# Altium PCB Motherboard.PcbDoc (part 1 of 3) (continued)
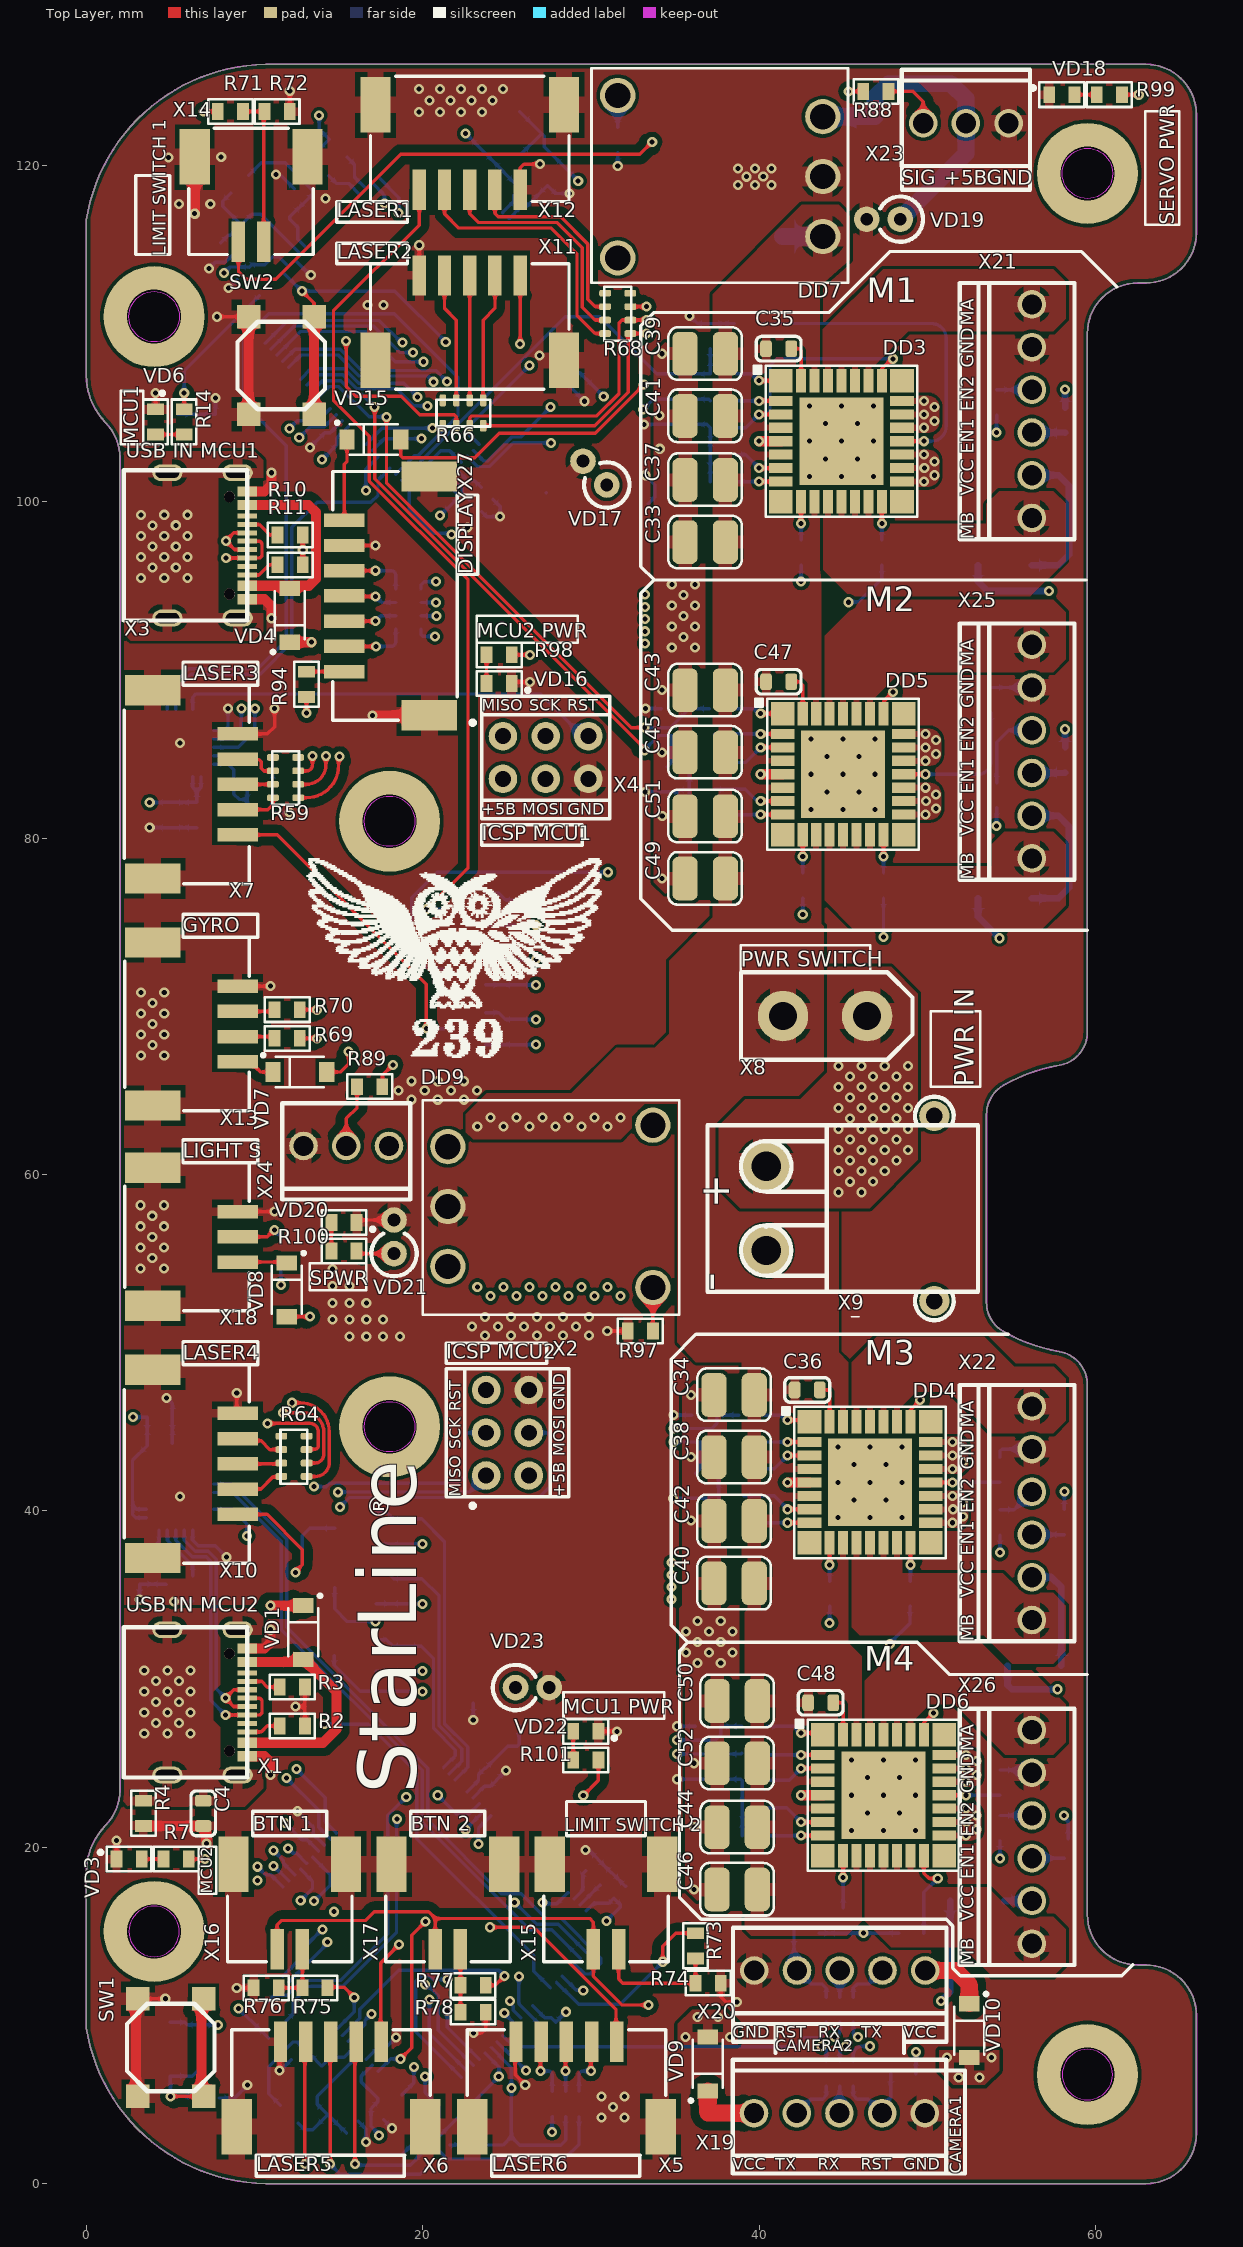
[diagram p0: Top Layer view]
## Design rules (kind name [scope] priority, off if disabled: settings)
Clearance Clearance_MidPoly [(InPoly) AND (OnLayer('GND1') OR OnLayer('GND2') OR OnLayer('PWR') OR OnLayer('Signal')) vs (InPoly) AND (OnLayer('GND1') OR OnLayer('GND2') OR OnLayer('PWR') OR OnLayer('Signal'))] p1: gap=0.4 ignorepadtopadclearanceinfootprint=FALSE
Clearance Clearance_Poly [InPolygon vs InPolygon] p2: gap=0.2 ignorepadtopadclearanceinfootprint=FALSE
Clearance Clearance_Pad [InPolygon vs isPad] p3: gap=0.2 ignorepadtopadclearanceinfootprint=FALSE
Clearance Clearance_Via [InPolygon vs IsVia] p4: gap=0.2 ignorepadtopadclearanceinfootprint=FALSE
Clearance Clearance_Dec [OnLayer('Bottom Layer') AND InPolygonClass('Dec') or OnLayer('Top Layer') AND InPolygonClass('Dec') vs InAnyNet] p5: gap=0.5 ignorepadtopadclearanceinfootprint=FALSE
Clearance Clearance_PGND_Poly [InNet('PGND') AND InPolygon vs InNet('+5В')] p6: gap=0.3 ignorepadtopadclearanceinfootprint=FALSE except(0.5: SMDPad-Fill SMDPad-Poly SMDPad-Region)
Clearance Clearance_PVCC_Poly [InNet('+3S') AND InPolygon vs InNet('PGND')] p7: gap=0.3 ignorepadtopadclearanceinfootprint=FALSE except(0.5: SMDPad-Fill SMDPad-Poly SMDPad-Region)
Clearance Clearance_GND_Poly [InNet('PGND') AND InPolygon vs InNet('SGND')] p8: gap=0.15 ignorepadtopadclearanceinfootprint=FALSE except(0.2: Arc-Fill Arc-Poly Arc-Region Track-Fill Track-Poly Track-Region THPad-Fill THPad-Poly THPad-Region Via-Fill Via-Poly Via-Region Fill-Fill Fill-Poly Fill-Region Poly-Poly Poly-Region Region-Region; 0.5: SMDPad-Fill SMDPad-Poly SMDPad-Region)
Clearance Clearance_VCC_Poly [(InNet('+5В_MCU')OR InNet('+5В_MCU2')OR InNet('+5В')) AND InPolygon] p9: gap=0.25 ignorepadtopadclearanceinfootprint=FALSE except(0.3: Fill-Fill Fill-Poly Fill-Region Poly-Poly Poly-Region Region-Region; 0.5: SMDPad-Fill SMDPad-Poly SMDPad-Region)
Clearance Clearance_1 [IsPadHoleValid] p10: gap=0.15 ignorepadtopadclearanceinfootprint=FALSE
Clearance Clearance_Edge_Mid [((OnLayer('Signal Layer 1') OR OnLayer('Signal Layer 2')OR OnLayer('Signal Layer 3')OR OnLayer('Signal Layer 4'))) vs (OnLayer('Keep-Out Layer'))] p11: gap=0.25 ignorepadtopadclearanceinfootprint=FALSE
Clearance Clearance_Edge [All vs (OnLayer('Keep-Out Layer'))] p12: gap=0.2 ignorepadtopadclearanceinfootprint=FALSE
Clearance Via [IsVia vs IsVia] p13: gap=0.2 ignorepadtopadclearanceinfootprint=FALSE
Clearance Clearance_Poly_top [InPolygon AND (OnLayer('Top Layer') OR OnLayer('Bottom Layer'))] p14: gap=0.2 ignorepadtopadclearanceinfootprint=FALSE
Clearance [All] p15: gap=0.125 ignorepadtopadclearanceinfootprint=FALSE except(0.2: Fill-Fill Fill-Poly Fill-Region Poly-Poly Poly-Region Region-Region)
ComponentClearance [All] p1: gap=0 collisioncheckmode=3 verticalgap=0 showdistances=FALSE
DiffPairsRouting [All] p1: maxlimit=0.254 minlimit=0.1 mostfreqgap=0.2 toplayer_minwidth=0.1 toplayer_maxwidth=0.381 toplayer_prefwidth=0.1 midlayer1_minwidth=0.1 midlayer1_maxwidth=0.381 midlayer1_prefwidth=0.1 midlayer2_minwidth=0.1 midlayer2_maxwidth=0.381 midlayer2_prefwidth=0.1 midlayer3_minwidth=0.1 midlayer3_maxwidth=0.381 midlayer3_prefwidth=0.1 midlayer4_minwidth=0.1 midlayer4_maxwidth=0.381 midlayer4_prefwidth=0.1 bottomlayer_minwidth=0.1 bottomlayer_maxwidth=0.381 bottomlayer_prefwidth=0.1 maxuncoupledlength=12.7
Height [All] p1: minheight=0 maxheight=30 prefheight=0
HoleSize [All] p1: absolutevalues=TRUE maxlimit=10 minlimit=0.2 maxpercent=80.000 minpercent=20.000
HoleToHoleClearance [All] p1: gap=0.2 allowstackedmicrovias=TRUE
MatchedLengths MatchedLengths_CSI2 [InDifferentialPairClass('MIPI_TX')] p1: tolerance=1 checknetsindiffpair=FALSE checkdiffpairvsdiffpair=TRUE checkxsignals=TRUE checkothers=TRUE
MatchedLengths MatchedLengths_CSI1 [InDifferentialPairClass('MIPI_CSI23')] p2: tolerance=1 checknetsindiffpair=FALSE checkdiffpairvsdiffpair=TRUE checkxsignals=TRUE checkothers=TRUE
MatchedLengths MatchedLengths_CSI0 [InDifferentialPairClass('MIPI_CSI0')] p3: tolerance=1 checknetsindiffpair=FALSE checkdiffpairvsdiffpair=TRUE checkxsignals=TRUE checkothers=TRUE
MatchedLengths [InDifferentialPairClass('All Differential Pairs')] p4: tolerance=0.5 checknetsindiffpair=TRUE checkdiffpairvsdiffpair=FALSE checkxsignals=FALSE checkothers=FALSE
MinimumSolderMaskSliver [All] p1: minsoldermaskwidth=0.05
PlaneClearance [All] p1: clearance=0.5
PlaneConnect [All] p1: planeconnectstyle=Relief reliefexpansion=0.5 reliefentries=4 reliefconductorwidth=0.2 reliefairgap=0.2
PolygonConnect PolygonConnect_<=0.3 [(AsMM(PadXSize_AllLayers)<=0.301) or (AsMM(PadYSize_AllLayers)<=0.301)] p1: thpad.connectstyle=Relief thpad.reliefconductorwidth=0.2 thpad.reliefentries=4 thpad.polygonreliefangle="90 Angle" thpad.airgapwidth=0.2 smdpad.connectstyle=Relief smdpad.reliefconductorwidth=0.2 smdpad.reliefentries=4 smdpad.polygonreliefangle="90 Angle" smdpad.airgapwidth=0.2 via.connectstyle=Direct via.reliefconductorwidth=0.2 via.reliefentries=4 via.polygonreliefangle="90 Angle" via.airgapwidth=0.2
PolygonConnect PolygonConnect_<=0.4 [(AsMM(PadXSize_AllLayers)<=0.401) or (AsMM(PadYSize_AllLayers)<=0.401)] p2: thpad.connectstyle=Relief thpad.reliefconductorwidth=0.26 thpad.reliefentries=4 thpad.polygonreliefangle="90 Angle" thpad.airgapwidth=0.2 smdpad.connectstyle=Relief smdpad.reliefconductorwidth=0.26 smdpad.reliefentries=4 smdpad.polygonreliefangle="90 Angle" smdpad.airgapwidth=0.2 via.connectstyle=Direct via.reliefconductorwidth=0.26 via.reliefentries=4 via.polygonreliefangle="90 Angle" via.airgapwidth=0.2
PolygonConnect PolygonConnect_<=0.6 [(AsMM(PadXSize_AllLayers)<=0.601) or (AsMM(PadYSize_AllLayers)<=0.601)] p3: thpad.connectstyle=Relief thpad.reliefconductorwidth=0.33 thpad.reliefentries=4 thpad.polygonreliefangle="90 Angle" thpad.airgapwidth=0.2 smdpad.connectstyle=Relief smdpad.reliefconductorwidth=0.33 smdpad.reliefentries=4 smdpad.polygonreliefangle="90 Angle" smdpad.airgapwidth=0.2 via.connectstyle=Direct via.reliefconductorwidth=0.33 via.reliefentries=4 via.polygonreliefangle="90 Angle" via.airgapwidth=0.2
PolygonConnect PolygonConnect_<=0.8 [(AsMM(PadXSize_AllLayers)<=0.8)or(AsMM(PadYSize_AllLayers)<=0.8)] p4: thpad.connectstyle=Relief thpad.reliefconductorwidth=0.53 thpad.reliefentries=4 thpad.polygonreliefangle="90 Angle" thpad.airgapwidth=0.3 smdpad.connectstyle=Relief smdpad.reliefconductorwidth=0.53 smdpad.reliefentries=4 smdpad.polygonreliefangle="90 Angle" smdpad.airgapwidth=0.3 via.connectstyle=Direct via.reliefconductorwidth=0.53 via.reliefentries=4 via.polygonreliefangle="90 Angle" via.airgapwidth=0.3
PolygonConnect PolygonConnect_<=1 [(AsMM(PadXSize_AllLayers)<=1.01)or(AsMM(PadYSize_AllLayers)<=1.01)] p5: thpad.connectstyle=Relief thpad.reliefconductorwidth=0.6 thpad.reliefentries=4 thpad.polygonreliefangle="90 Angle" thpad.airgapwidth=0.3 smdpad.connectstyle=Relief smdpad.reliefconductorwidth=0.6 smdpad.reliefentries=4 smdpad.polygonreliefangle="90 Angle" smdpad.airgapwidth=0.3 via.connectstyle=Direct via.reliefconductorwidth=0.6 via.reliefentries=4 via.polygonreliefangle="90 Angle" via.airgapwidth=0.3
PolygonConnect PolygonConnect_<=1.3 [(AsMM(PadXSize_AllLayers)<=1.31)or(AsMM(PadYSize_AllLayers)<=1.31)] p6: thpad.connectstyle=Relief thpad.reliefconductorwidth=0.66 thpad.reliefentries=4 thpad.polygonreliefangle="90 Angle" thpad.airgapwidth=0.3 smdpad.connectstyle=Relief smdpad.reliefconductorwidth=0.66 smdpad.reliefentries=4 smdpad.polygonreliefangle="90 Angle" smdpad.airgapwidth=0.3 via.connectstyle=Direct via.reliefconductorwidth=0.66 via.reliefentries=4 via.polygonreliefangle="90 Angle" via.airgapwidth=0.3
PolygonConnect PolygonConnect_<=1.6 [(AsMM(PadXSize_AllLayers)<=1.61)or(AsMM(PadYSize_AllLayers)<=1.61)] p7: thpad.connectstyle=Relief thpad.reliefconductorwidth=0.8 thpad.reliefentries=4 thpad.polygonreliefangle="90 Angle" thpad.airgapwidth=0.3 smdpad.connectstyle=Relief smdpad.reliefconductorwidth=0.8 smdpad.reliefentries=4 smdpad.polygonreliefangle="90 Angle" smdpad.airgapwidth=0.3 via.connectstyle=Direct via.reliefconductorwidth=0.8 via.reliefentries=4 via.polygonreliefangle="90 Angle" via.airgapwidth=0.3
PolygonConnect PolygonConnect_<=1.8 [(AsMM(PadXSize_AllLayers)<=1.8)or(AsMM(PadYSize_AllLayers)<=1.8)] p8: thpad.connectstyle=Relief thpad.reliefconductorwidth=1 thpad.reliefentries=4 thpad.polygonreliefangle="90 Angle" thpad.airgapwidth=0.3 smdpad.connectstyle=Relief smdpad.reliefconductorwidth=1 smdpad.reliefentries=4 smdpad.polygonreliefangle="90 Angle" smdpad.airgapwidth=0.3 via.connectstyle=Direct via.reliefconductorwidth=1 via.reliefentries=4 via.polygonreliefangle="90 Angle" via.airgapwidth=0.3
PolygonConnect PolygonConnect_<=2 [(AsMM(PadXSize_AllLayers)<=2.01)or(AsMM(PadYSize_AllLayers)<=2.01)] p9: thpad.connectstyle=Relief thpad.reliefconductorwidth=1.1 thpad.reliefentries=4 thpad.polygonreliefangle="90 Angle" thpad.airgapwidth=0.3 smdpad.connectstyle=Relief smdpad.reliefconductorwidth=1.1 smdpad.reliefentries=4 smdpad.polygonreliefangle="90 Angle" smdpad.airgapwidth=0.3 via.connectstyle=Direct via.reliefconductorwidth=1.1 via.reliefentries=4 via.polygonreliefangle="90 Angle" via.airgapwidth=0.3
PolygonConnect PolygonConnect_<=2.3 [(AsMM(PadXSize_AllLayers)<=2.31)or(AsMM(PadYSize_AllLayers)<=2.31)] p10: thpad.connectstyle=Relief thpad.reliefconductorwidth=1.2 thpad.reliefentries=4 thpad.polygonreliefangle="90 Angle" thpad.airgapwidth=0.3 smdpad.connectstyle=Relief smdpad.reliefconductorwidth=1.2 smdpad.reliefentries=4 smdpad.polygonreliefangle="90 Angle" smdpad.airgapwidth=0.3 via.connectstyle=Direct via.reliefconductorwidth=1.2 via.reliefentries=4 via.polygonreliefangle="90 Angle" via.airgapwidth=0.3
PolygonConnect PolygonConnect_<=2.5 [(AsMM(PadXSize_AllLayers)<=2.51)or(AsMM(PadYSize_AllLayers)<=2.51)] p11: thpad.connectstyle=Relief thpad.reliefconductorwidth=1.2 thpad.reliefentries=4 thpad.polygonreliefangle="90 Angle" thpad.airgapwidth=0.3 smdpad.connectstyle=Relief smdpad.reliefconductorwidth=1.2 smdpad.reliefentries=4 smdpad.polygonreliefangle="90 Angle" smdpad.airgapwidth=0.3 via.connectstyle=Direct via.reliefconductorwidth=1.2 via.reliefentries=4 via.polygonreliefangle="90 Angle" via.airgapwidth=0.3
PolygonConnect PolygonConnect_<=2.7 [(AsMM(PadXSize_AllLayers)<=2.71)or(AsMM(PadYSize_AllLayers)<=2.71)] p12: thpad.connectstyle=Relief thpad.reliefconductorwidth=1.4 thpad.reliefentries=4 thpad.polygonreliefangle="90 Angle" thpad.airgapwidth=0.3 smdpad.connectstyle=Relief smdpad.reliefconductorwidth=1.4 smdpad.reliefentries=4 smdpad.polygonreliefangle="90 Angle" smdpad.airgapwidth=0.3 via.connectstyle=Direct via.reliefconductorwidth=1.4 via.reliefentries=4 via.polygonreliefangle="90 Angle" via.airgapwidth=0.3
PolygonConnect PolygonConnect_<=3 [(AsMM(PadXSize_AllLayers)<=3.01)or(AsMM(PadYSize_AllLayers)<=3.01)] p13: thpad.connectstyle=Relief thpad.reliefconductorwidth=1.6 thpad.reliefentries=4 thpad.polygonreliefangle="90 Angle" thpad.airgapwidth=0.3 smdpad.connectstyle=Relief smdpad.reliefconductorwidth=1.6 smdpad.reliefentries=4 smdpad.polygonreliefangle="90 Angle" smdpad.airgapwidth=0.3 via.connectstyle=Direct via.reliefconductorwidth=1.6 via.reliefentries=4 via.polygonreliefangle="90 Angle" via.airgapwidth=0.3
PolygonConnect PolygonConnect_<7 [(AsMM(PadXSize_AllLayers)<7.01)or(AsMM(PadYSize_AllLayers)<=7.01)] p14: thpad.connectstyle=Relief thpad.reliefconductorwidth=2 thpad.reliefentries=4 thpad.polygonreliefangle="90 Angle" thpad.airgapwidth=0.35 smdpad.connectstyle=Relief smdpad.reliefconductorwidth=2 smdpad.reliefentries=4 smdpad.polygonreliefangle="90 Angle" smdpad.airgapwidth=0.35 via.connectstyle=Direct via.reliefconductorwidth=2 via.reliefentries=4 via.polygonreliefangle="90 Angle" via.airgapwidth=0.4
PolygonConnect [All] p15: thpad.connectstyle=Relief thpad.reliefconductorwidth=0.25 thpad.reliefentries=4 thpad.polygonreliefangle="90 Angle" thpad.airgapwidth=0.2 smdpad.connectstyle=Relief smdpad.reliefconductorwidth=0.25 smdpad.reliefentries=4 smdpad.polygonreliefangle="90 Angle" smdpad.airgapwidth=0.2 via.connectstyle=Direct via.reliefconductorwidth=0.25 via.reliefentries=4 via.polygonreliefangle="90 Angle" via.airgapwidth=0.2
RoutingCorners [All] p1: cornerstyle=45-Degree minsetback=2.5 maxsetback=2.5
RoutingVias [All] p1: holewidth=0.2 width=0.4 viastyle="Through Hole" minholewidth=0.2 minwidth=0.4 maxholewidth=3 maxwidth=4
ShortCircuit ShortCircuit_NoNet [InNet('No Net') vs InNet('No Net')] p1: allowed=TRUE
ShortCircuit ShortCircuit_GND [InNetClass('GND') vs InNetClass('GND')] p2: allowed=TRUE
ShortCircuit [All] p3: allowed=FALSE
SilkToSilkClearance [All] p1: silktosilkclearance=0
SilkToSolderMaskClearance SilkscreenOverComponentPads [IsPad] p1: minsilkscreentomaskgap=0 clearancetoexposedcopper=TRUE
SolderMaskExpansion SolderMaskExpansion_Via [IsVia] p1: expansion=0 istentingtop=FALSE
SolderMaskExpansion [All] p2: expansion=0.025 istentingtop=FALSE
UnConnectedPin [IsVia] p1:
Width [All] p1: maxlimit=3 minlimit=0.1 preferedwidth=0.1 minimp=50.000000 maximp=50.000000 favimp=50.000000
18 further rules are at their usual default settings.

## Classes and differential pairs
polygon class Dec: Dec_BOT Dec_TOP
component class motherboard_power: DD7 DD8 DD9 DD10 R96 R97 R98 R99 R100 R101 R102 R103 VD18 VD21 VD22 С53 С54 С55 С56 С57 С58 С59 С60 С61 С62 С63 С64
component class motherboard_motor_mcu: DA2 DD2 R9 R10 R11 R12 R13 R14 R15 R16 SW2 VD4 VD5 VD6 X3 X4 XT2 С17 С18 С19 С20 С21 С22 С23 С24 С25 С26 С27 С28 С29 С30 С31 С32
component class motherboard_motor_drivers: DD3 DD4 DD5 DD6 R17 R18 R19 R20 R21 R22 R23 R24 R25 R26 R27 R28 R29 R30 R31 R32 R33 R34 R35 R36 R37 R38 R39 R40 R41 R42 R43 R44 R45 R46 R47 R48 R49 R50 R51 R52 R53 R54 R55 R56 С33 С34 С35 С36 С37 С38 С39 С40 С41 С42 С43 С44 С45 С46 С47 С48 С49 С50 С51 С52
component class motherboard_mcu: DA1 DD1 R1 R2 R3 R4 R5 R6 R7 R8 SW1 VD1 VD2 VD3 X1 X2 XT1 С1 С2 С3 С4 С5 С6 С7 С8 С9 С10 С11 С12 С13 С14 С15 С16
component class motherboard_conectors: R57 R58 R59 R60 R61 R62 R63 R64 R65 R66 R67 R68 R69 R70 R71 R72 R73 R74 R75 R76 R77 R78 R79 R80 R81 R82 R83 R84 R85 R86 R87 R88 R89 R90 R91 R92 R93 R94 R95 VD7 VD8 VD9 VD10 VD11 VD12 VD13 VD14 VT1 VT2 VT3 VT4 VT5 VT6 X5 X6 X7 X8 X9 X10 X11 X13 X14 X15 X16 X17 X18 X19 X20 X21 X22 X23 X24 X25 X26 X27

## Components (designator, comment, footprint, x,y, rotation, side; value= is the part's Value field where it differs from the comment)
DA1 "CP2105" QFN24-PAD 5.575,40.85 r90 bottom
DA2 "CP2105" QFN24-PAD 5.575,85.65 r180 bottom
DD1 "Atmega2560" 100A 20,15 r135 bottom
DD2 "Atmega2560" 100A 20,111.006 r45 bottom
DD3 "MС339296" PQFN32 44.9,103.6 r0 top
DD4 "MС339296" PQFN32 46.6,41.7 r0 top
DD5 "MС339296" PQFN32 45,83.8 r0 top
DD6 "MС339296" PQFN32 47.4,23.1 r0 top
DD7 "PTH08080W" PTH08080W 43.79,115.775 r180 top
DD8 "LM1117GS-5.0" SOT-223 26.907,96.832 r225 bottom
DD9 "PTH08080W" PTH08080W 21.5,61.66 r0 top
DD10 "LM1117GS-5.0" SOT-223 25.309,35.265 r90 bottom
R1 "10к" R0603 12.07,4.135 r315 bottom
R2 "1М" R0603 12.25,27.225 r0 top
R3 "1М" R0603 12.25,29.525 r0 top
R4 "100к" R0603 3.4,22.025 r270 top
R5 "10к" R0603 6.8,8.7 r90 bottom
R6 "10к" R0603 11.37,9.17 r45 bottom
R7 "510" R0603 5.35,19.3 r0 top
R8 "10к" R0603 10.27,10.27 r45 bottom
R9 "10к" R0603 9.125,118.875 r225 bottom
R10 "1М" R0603 12.125,98.025 r0 top
R11 "1М" R0603 12.125,96.25 r0 top
R12 "100к" R0603 5.425,104.45 r90 bottom
R13 "10к" R0603 25.346,120.154 r225 bottom
R14 "510" R0603 5.825,104.75 r90 top
R15 "10к" R0603 14.97,121.03 r315 bottom
R16 "10к" R0603 13.87,119.93 r315 bottom
R17 "47к" R0603 39.275,110.6 r0 bottom
R18 "47к" R0603 54.325,42.45 r90 bottom
R19 "10к" R0603 38.35,42.5 r0 bottom
R20 "10к" R0603 49,35.075 r90 bottom
R21 "10к" R0603 37.85,104.4 r0 bottom
R22 "10к" R0603 47.3,96.975 r90 bottom
R23 "47к" R0603 37.85,101.2 r0 bottom
R24 "47к" R0603 38.35,39.3 r180 bottom
R25 "100" R0603 37.85,107.6 r180 bottom
R26 "100" R0603 37.85,106 r180 bottom
R27 "10к" R0603 42.5,96.975 r270 bottom
R28 "100" R0603 39.55,45.7 r180 bottom
R29 "100" R0603 38.35,44.1 r180 bottom
R30 "10к" R0603 44.2,35.075 r270 bottom
R31 "47к" R0603 37.85,102.8 r180 bottom
R32 "47к" R0603 38.35,40.9 r180 bottom
R33 "47к" R0603 35.6,105.35 r270 bottom
R34 "47к" R0603 36.225,41.5 r270 bottom
R35 "47к" R0603 37.1,109.85 r90 bottom
R36 "47к" R0603 36.75,45.7 r180 bottom
R37 "47к" R0603 34.95,87.7 r180 bottom
R38 "47к" R0603 36.975,27.2 r180 bottom
R39 "47к" R0603 34.5,83.5 r270 bottom
R40 "47к" R0603 37.525,24.8 r270 bottom
R41 "47к" R0603 36.6,82.9 r180 bottom
R42 "47к" R0603 39.75,22.35 r180 bottom
R43 "100" R0603 37.8,87.7 r0 bottom
R44 "100" R0603 36.6,86.1 r0 bottom
R45 "10к" R0603 42.6,77.175 r90 bottom
R46 "100" R0603 39.725,27.2 r0 bottom
R47 "100" R0603 39.725,25.6 r0 bottom
R48 "10к" R0603 45,15.65 r90 bottom
R49 "10к" R0603 36.6,84.5 r180 bottom
R50 "10к" R0603 47.4,77.175 r270 bottom
R51 "10к" R0603 39.725,24 r180 bottom
R52 "10к" R0603 49.05,14.9 r180 bottom
R53 "47к" R0603 36.6,81.3 r0 bottom
R54 "47к" R0603 39.75,20.7 r0 bottom
R55 "47к" R0603 53.775,88.206 r270 bottom
R56 "47к" R0603 54.325,23.85 r270 bottom
R57 "100" R0603X4 29.3,5.5 r180 bottom
R58 "100" R0603X4 21.597,2.303 r135 bottom
R59 "100" R0603X4 11.1,82.4 r90 top
R60 "10к" R0603 19,31.205 r90 bottom
R61 "10к" R0603 19.025,35.225 r90 bottom
R62 "10к" R0603 25.675,68.475 r90 bottom
R63 "10к" R0603 19.025,38.78 r90 bottom
R64 "100" R0603X4 11.6,42.05 r90 top
R65 "10к" R0603 25.675,72.025 r90 bottom
R66 "100" R0603X4 23.6,104.525 r180 top
R67 "10к" R0603 25.675,75.575 r90 bottom
R68 "100" R0603X4 30.85,110 r90 top
R69 "100" R0603 11.95,68.1 r180 top
R70 "100" R0603 11.95,69.8 r180 top
R71 "100" R0603 8.575,123.2 r0 top
R72 "10к" R0603 11.35,123.2 r180 top
R73 "100" R0603 36.225,14.15 r270 top
R74 "10к" R0603 36.975,11.925 r180 top
R75 "100" R0603 13.6,11.65 r180 top
R76 "10к" R0603 10.7,11.65 r0 top
R77 "100" R0603 23,11.8 r180 top
R78 "10к" R0603 23,10.2 r180 top
R79 "100" R0603 11.575,55.125 r90 bottom
R80 "10к" R0603 48.575,6.55 r180 bottom
R81 "100" R0603X4 44,5.8 r0 bottom
R82 "10к" R0603 42.825,14.9 r180 bottom
R83 "100" R0603X4 45.6,11.1 r180 bottom
R84 "100" R0603 58.2,104.85 r90 bottom
R85 "100" R0603 54.125,105.906 r270 bottom
R86 "100" R0603 58.15,39.35 r90 bottom
R87 "100" R0603 54.325,39.325 r270 bottom
R88 "100" R0603 46.95,124.4 r180 top
R89 "100" R0603 16.85,65.225 r0 top
R90 "100" R0603 58.2,84.65 r270 bottom
R91 "100" R0603 54.125,82.55 r90 bottom
R92 "100" R0603 58.375,19.75 r270 bottom
R93 "100" R0603 54.325,21.146 r90 bottom
R94 "10к" R0603 13.1,89.15 r90 top
R95 "100" R0603X4 18.4,94.812 r270 bottom
R96 "10к" R0603 31.6,121.5 r90 bottom
R97 "10к" R0603 32.94,50.7 r0 top
R98 "10к" R0603 24.55,90.9 r0 top
R99 "510" R0603 60.825,124.2 r0 top
R100 "510" R0603 15.325,55.45 r0 top
R101 "10к" R0603 29.7,25.2 r0 top
R102 "0" R1210 38.425,51.8 r180 bottom
R103 "0" R1210 38.425,64.2 r180 bottom
SW1 "" it-1187 5.025,8.1 r90 top
SW2 "" it-1187 11.6,108.1 r90 top
VD1 "" SOD123_A 12.9,32.778 r270 top
VD2 "" SOD123_A 5,8 r270 bottom
VD3 "" "0603 - led" 2.55,19.3 r180 top
VD4 "" SOD123_A 12.1,93.25 r90 top
VD5 "" SOD123_A 24.647,122.055 r45 bottom
VD6 "" "0603 - led" 4.125,104.75 r90 top
VD7 "" SOD123_A 12.7,66.1 r0 top
VD8 "" SOD123_A 11.925,53.15 r270 top
VD9 "" SOD123_A 36.95,7.125 r90 top
VD10 "" SOD123_A 52.5,9.1 r270 top
VD11 "" SOD123_A 54.621,96.225 r180 bottom
VD12 "" SOD123_A 56.375,30.8 r180 bottom
VD13 "" SOD123_A 54.621,76.425 r180 bottom
VD14 "" SOD123_A 52.975,16.816 r180 bottom
VD15 "" SOD123_A 17.1,103.7 r0 top
VD16 "" "0603 - led" 24.55,89.2 r0 top
VD17 "1N4734A" "DO-41 Vertical" 30.95,101 r45 top
VD18 "" "0603 - led" 58,124.2 r180 top
VD19 "1N4734A" "DO-41 Vertical" 48.4,116.8 r90 top
VD20 "" "0603 - led" 15.325,57.15 r0 top
VD21 "1N4734A" "DO-41 Vertical" 18.3,55.3 r0 top
VD22 "" "0603 - led" 29.7,26.9 r0 top
VD23 "1N4734A" "DO-41 Vertical" 25.525,29.5 r270 top
VT1 "IRLML2244TRPBF" SOT23 15.975,31.405 r180 bottom
VT2 "IRLML2244TRPBF" SOT23 16,35.43 r180 bottom
VT3 "IRLML2244TRPBF" SOT23 22.525,68.675 r180 bottom
VT4 "IRLML2244TRPBF" SOT23 16,38.98 r180 bottom
VT5 "IRLML2244TRPBF" SOT23 22.525,72.225 r180 bottom
VT6 "IRLML2244TRPBF" SOT23 22.525,75.775 r180 bottom
X1 "USB Type-C" USB4105-15-A-120 2.225,28.62 r270 top
X2 "PLS 3 x 2" "PLS 3 x 2" 23.775,42.11 r0 top
X3 "USB Type-C" USB4105-15-A-120 2.225,97.405 r270 top
X4 "PLS 3 x 2" "PLS 3 x 2" 24.775,86.065 r270 top
X5 "Clik-Mate 5" "Clik-Mate 5" 28.55,4 r0 top
X6 "Clik-Mate 5" "Clik-Mate 5" 14.55,4 r0 top
X7 "Clik-Mate 5" "Clik-Mate 5" 4.55,83.2 r270 top
X8 "XT30UPB-M" XT30UPB-M 41.425,69.425 r0 top
X9 "XT30PW-M" XT30PW-M 50.421,52.486 r90 top
X10 "Clik-Mate 5" "Clik-Mate 5" 4.55,42.8 r270 top
X11 "Clik-Mate 5" "Clik-Mate 5" 22.8,109 r0 top
X12 "Clik-Mate 5" "Clik-Mate 5" 22.8,123 r180 top
X13 "Clik-Mate 4" "Clik-Mate 4" 4.55,68.95 r270 top
X14 "Clik-Mate 2" "Clik-Mate 2" 9.8,120 r180 top
X15 "Clik-Mate 2" "Clik-Mate 2" 30.9,18.5 r180 top
X16 "Clik-Mate 2" "Clik-Mate 2" 12.1,18.5 r180 top
X17 "Clik-Mate 2" "Clik-Mate 2" 21.5,18.5 r180 top
X18 "640456-3" "Clik-Mate 3" 4.55,56.3 r270 top
X19 "640456-5" JST-640456-5 38.43,7.38 r270 top
X20 "640456-5" JST-640456-5 51.15,9.5 r90 top
X21 "640456-6" JST-640456-6 53.041,97.766 r0 top
X22 "640456-6" JST-640456-6 53.041,32.246 r0 top
X23 "640456-3" JST-640456-3 48.49,125.68 r270 top
X24 "640456-3" JST-640456-3 19.27,58.52 r90 top
X25 "640456-6" JST-640456-6 53.041,77.526 r0 top
X26 "640456-6" JST-640456-6 53.041,13.006 r0 top
X27 "Clik-Mate 7" "Clik-Mate 7" 19.8,94.4 r90 top
XT1 "16Мгц" KX-7 14.354,4.101 r135 bottom
XT2 "16Мгц" KX-7 12.1,116.8 r225 bottom
С1 "0,1мк" C0402 32.068,17.696 r225 bottom
С2 "0,1мк" C0402 17.689,3.814 r135 bottom
С3 "0,1мк" C0402 27.214,8.886 r45 bottom
С4 "0,01мк" C0603 6.955,22.022 r270 top
С5 "0,1мк" C0402 13.186,21.514 r225 bottom
С6 "0,1мк" C0402 15.489,2.986 r45 bottom
С7 "0,1мк" C0402 12.9,8.1 r225 bottom
С8 "0,1мк" C0402 24.425,24.018 r135 bottom
С9 "0,1мк" C0402 30.393,19.321 r225 bottom
С10 "0,1мк" C0402 31.243,18.471 r225 bottom
С11 "22" C0603 7.15,5.1 r180 bottom
С12 "4.7мк" C0603 6.325,35.4 r90 bottom
С13 "0,1мк" C0603 4.375,44.025 r180 bottom
С14 "0,1мк" C0603 3.175,36.4 r90 bottom
С15 "0,1мк" C0603 4.375,45.575 r180 bottom
С16 "0,1мк" C0603 4.725,36.4 r90 bottom
С17 "0,1мк" C0402 8.982,113.204 r45 bottom
С18 "0,1мк" C0402 22.396,99.107 r135 bottom
С19 "0,01мк" C0603 7.675,104.45 r90 bottom
С20 "0,1мк" C0402 29.014,106.586 r45 bottom
С21 "0,1мк" C0402 26.521,117.907 r135 bottom
С22 "0,1мк" C0402 8.721,114.707 r135 bottom
С23 "0,1мк" C0402 12.354,118.593 r315 bottom
С24 "0,1мк" C0402 24.196,100.157 r135 bottom
С25 "0,1мк" C0402 13.779,103.693 r315 bottom
С26 "0,1мк" C0402 23.496,99.432 r135 bottom
С27 "4.7мк" C0603 10.325,84.625 r180 bottom
С28 "22" C0603 27.945,119.33 r45 bottom
С29 "0,1мк" C0603 5.025,81.375 r90 bottom
С30 "0,1мк" C0603 10.325,83.075 r180 bottom
С31 "0,1мк" C0603 6.575,81.375 r90 bottom
С32 "0,1мк" C0603 10.325,81.525 r180 bottom
С33 "100мк" "C1210_AA - 2.5" 36.8,97.6 r0 top
С34 "100мк" "C1210_AA - 2.5" 38.52,46.9 r0 top
С35 "0,033мк" C0603 41.165,109.1 r180 top
С36 "0,033мк" C0603 42.865,47.2 r180 top
С37 "100мк" "C1210_AA - 2.5" 36.8,101.3 r0 top
С38 "100мк" "C1210_AA - 2.5" 38.52,43.2 r0 top
С39 "100мк" "C1210_AA - 2.5" 36.8,108.8 r0 top
С40 "100мк" "C1210_AA - 2.5" 38.52,35.7 r0 top
С41 "100мк" "C1210_AA - 2.5" 36.8,105.1 r0 top
С42 "100мк" "C1210_AA - 2.5" 38.52,39.4 r0 top
С43 "100мк" "C1210_AA - 2.5" 36.8,88.8 r0 top
С44 "100мк" "C1210_AA - 2.5" 38.7,21.2 r0 top
С45 "100мк" "C1210_AA - 2.5" 36.8,85.1 r0 top
С46 "100мк" "C1210_AA - 2.5" 38.7,17.5 r0 top
С47 "0,033мк" C0603 41.165,89.3 r0 top
С48 "0,033мк" C0603 43.665,28.6 r0 top
С49 "100мк" "C1210_AA - 2.5" 36.8,77.6 r0 top
С50 "100мк" "C1210_AA - 2.5" 38.7,28.7 r0 top
С51 "100мк" "C1210_AA - 2.5" 36.8,81.3 r0 top
С52 "100мк" "C1210_AA - 2.5" 38.7,25 r0 top
С53 "100мк" "C1210_AA - 2.5" 31.325,60.4 r90 bottom
С54 "100мк" "C1210_AA - 2.5" 27.9,60.4 r90 bottom
С55 "100мк" "C1210_AA - 2.5" 40.2,115.775 r0 bottom
С56 "0,1мк" C0603 32.875,99.35 r225 bottom
С57 "100мк" "C1210_AA - 2.5" 24.475,60.4 r90 bottom
С58 "0,1мк" C0603 31.7,103.5 r315 bottom
С59 "100мк" "C1210_AA - 2.5" 31.325,55.8 r270 bottom
С60 "100мк" "C1210_AA - 2.5" 46.9,121.695 r90 bottom
С61 "100мк" "C1210_AA - 2.5" 27.9,55.8 r270 bottom
С62 "100мк" "C1210_AA - 2.5" 24.475,55.8 r270 bottom
С63 "0,1мк" C0603 23.009,29.315 r90 bottom
С64 "0,1мк" C0603 26.484,27.265 r180 bottom

## Footprints (in the part's own frame and the unit in brackets; to place one, negate y for a bottom-side part, rotate by r counter-clockwise, add the part's x,y. Pads: shape width x height; smd on the part's side, far side on the other; paste and mask are expansions set on the pad)
100A [mm] "atmega2560"
  oval 1.5x0.3 smd: 1(-7.75,6) 2(-7.75,5.5) 3(-7.75,5) 4(-7.75,4.5) 5(-7.75,4) 6(-7.75,3.5) 7(-7.75,3) 8(-7.75,2.5) 9(-7.75,2) 10(-7.75,1.5) 11(-7.75,1) 12(-7.75,0.5) 13(-7.75,0) 14(-7.75,-0.5) 15(-7.75,-1) 16(-7.75,-1.5) 17(-7.75,-2) 18(-7.75,-2.5) 19(-7.75,-3) 20(-7.75,-3.5) 21(-7.75,-4) 22(-7.75,-4.5) 23(-7.75,-5) 24(-7.75,-5.5) 25(-7.75,-6) 51(7.75,-6) 52(7.75,-5.5) 53(7.75,-5) 54(7.75,-4.5) 55(7.75,-4) 56(7.75,-3.5) 57(7.75,-3) 58(7.75,-2.5) 59(7.75,-2) 60(7.75,-1.5) 61(7.75,-1) 62(7.75,-0.5) 63(7.75,0) 64(7.75,0.5) 65(7.75,1) 66(7.75,1.5) 67(7.75,2) 68(7.75,2.5) 69(7.75,3) 70(7.75,3.5) 71(7.75,4) 72(7.75,4.5) 73(7.75,5) 74(7.75,5.5) 75(7.75,6)
  oval 0.3x1.5 smd: 26(-6,-7.75) 27(-5.5,-7.75) 28(-5,-7.75) 29(-4.5,-7.75) 30(-4,-7.75) 31(-3.5,-7.75) 32(-3,-7.75) 33(-2.5,-7.75) 34(-2,-7.75) 35(-1.5,-7.75) 36(-1,-7.75) 37(-0.5,-7.75) 38(0,-7.75) 39(0.5,-7.75) 40(1,-7.75) 41(1.5,-7.75) 42(2,-7.75) 43(2.5,-7.75) 44(3,-7.75) 45(3.5,-7.75) 46(4,-7.75) 47(4.5,-7.75) 48(5,-7.75) 49(5.5,-7.75) 50(6,-7.75) 76(6,7.75) 77(5.5,7.75) 78(5,7.75) 79(4.5,7.75) 80(4,7.75) 81(3.5,7.75) 82(3,7.75) 83(2.5,7.75) 84(2,7.75) 85(1.5,7.75) 86(1,7.75) 87(0.5,7.75) 88(0,7.75) 89(-0.5,7.75) 90(-1,7.75) 91(-1.5,7.75) 92(-2,7.75) 93(-2.5,7.75) 94(-3,7.75) 95(-3.5,7.75) 96(-4,7.75) 97(-4.5,7.75) 98(-5,7.75) 99(-5.5,7.75) 100(-6,7.75)
  silkscreen extent -7.87,-6.6 6.6,6.82, body extent -8.12,-8.12 8.12,8.12, height 1.15
"0603 - led" [mm]
  rect 0.7x1 smd: 1(-0.75,0) 2(0.75,0)
  Top Layer pour cut-out: -0.4,0.5 0.4,0.5 0.4,-0.5 -0.4,-0.5
  silkscreen extent -1.33,-0.73 1.8,0.73, body extent -0.82,-0.37 0.82,0.36, height 0.68
C0402 [mm]
  rrect50% 0.5x0.6 smd: 1(0,-0.02) 2(1,-0.02)
  silkscreen extent -0.45,-0.53 1.45,0.48, body extent 0,-0.28 1,0.22, height 0.5
C0603 [mm]
  rrect50% 0.7x1 smd: 1(-0.75,0) 2(0.75,0)
  Top Layer pour cut-out: -0.4,0.5 0.4,0.5 0.4,-0.5 -0.4,-0.5
  silkscreen extent -1.33,-0.73 1.33,0.73, body extent -0.8,-0.4 0.8,0.4, height 0.9
"C1210_AA - 2.5" [mm]
  rrect50% 1.5x2.6 smd: 1(-1.2,0) 2(1.2,0)
  Top Layer pour cut-out: -0.45,1.3 0.45,1.3 0.45,-1.3 -0.45,-1.3
  silkscreen extent -2.2,-1.55 2.17,1.57, body extent -1.6,-1.25 1.6,1.25, height 2.5
"Clik-Mate 2" [mm]
  rect 1.8x3.3 smd: 0(-3.35,-0.5) 0(3.35,-0.5)
  rect 0.8x2.4 smd: 1(0.75,4.55) 2(-0.75,4.55)
  silkscreen extent -3.7,-2.2 3.7,5.3, body extent -3.65,-2.15 3.65,5.25, height 7.58
"Clik-Mate 3" [mm] "5054050370"
  rect 1.8x3.3 smd: 0(-4.1,-0.6) 0(4.1,-0.6)
  rect 0.8x2.4 smd: 1(1.5,4.45) 2(0,4.45) 3(-1.5,4.45)
  silkscreen extent -4.4,-2.25 4.4,5.15, body extent -4.4,-2.25 4.4,5.15, height 7.28
"Clik-Mate 4" [mm] "5054050470"
  rect 1.8x3.3 smd: 0(-4.85,-0.6) 0(4.85,-0.6)
  rect 0.8x2.4 smd: 1(2.25,4.45) 2(0.75,4.45) 3(-0.75,4.45) 4(-2.25,4.45)
  silkscreen extent -5.15,-2.25 5.15,5.15, body extent -5.15,-2.25 5.15,5.15, height 7.28
"Clik-Mate 5" [mm] "5054050670"
  rect 1.8x3.3 smd: 0(-5.6,-0.6) 0(5.6,-0.6)
  rect 0.8x2.4 smd: 1(3,4.45) 2(1.5,4.45) 3(0,4.45) 4(-1.5,4.45) 5(-3,4.45)
  silkscreen extent -5.9,-2.3 5.9,5.15, body extent -5.9,-2.2 5.9,5.2, height 7.28
"Clik-Mate 7" [mm] "505405-0770"
  rect 1.8x3.3 smd: 0(-7.1,-0.6) 0(7.1,-0.6)
  rect 0.8x2.4 smd: 1(4.5,4.45) 2(3,4.45) 3(1.5,4.45) 4(0,4.45) 5(-1.5,4.45) 6(-3,4.45) 7(-4.5,4.45)
  silkscreen extent -7.4,-2.25 7.4,5.15, body extent -7.4,-2.25 7.4,5.15, height 7.28
"DO-41 Vertical" [mil]
  round 60 hole 30: 1(0,78.74) 2(0,0)
  silkscreen extent -53,-53 53,47, body extent -53,-53 53,96, height 281
it-1187 [mm] "switch"
  rect 1.4x1.4 smd: 1(-2.9,1.95) 1(2.9,1.95) 2(-2.9,-1.95) 2(2.9,-1.95)
  silkscreen extent -2.6,-2.6 2.6,2.6, body extent -3.2,-2.6 3.2,2.6, height 1.5
JST-640456-3 [mm]
  round 1.7 hole 1.2: 1(3.18,1.27) 2(3.18,3.81) 3(3.18,6.35)
  silkscreen extent 0,0 5.72,7.62, body extent 0.01,0 5.85,7.62, height 10.03
JST-640456-5 [mm]
  round 1.7 hole 1.2: 1(3.18,1.27) 2(3.18,3.81) 3(3.18,6.35) 4(3.18,8.89) 5(3.18,11.43)
  silkscreen extent 0,0 5.72,12.7, body extent 0,0 5.84,12.7, height 10.03
JST-640456-6 [mm]
  round 1.7 hole 1.2: 1(3.18,1.27) 2(3.18,3.81) 3(3.18,6.35) 4(3.18,8.89) 5(3.18,11.43) 6(3.18,13.97)
  silkscreen extent -1.1,0 5.72,15.24, body extent -0.12,0 5.72,15.24, height 10.03
KX-7 [mm]
  rect 1.3x1.1 smd: 1(0,0) 2(2.3,0) 3(2.3,1.8) 4(0,1.8)
  silkscreen extent -0.55,-0.45 2.85,2.25, body extent -0.46,-0.35 2.76,2.15, height 0.81
"PLS 3 x 2" [mm] "2.54"
  round 1.7 hole 0.95: 1(0,0) 2(2.54,0) 3(0,2.54) 4(2.54,2.54) 5(0,5.08) 6(2.54,5.08)
  silkscreen extent -1.27,-1.92 3.81,6.35
PQFN32 [mm]
  rect 1.4x1.4 smd mask+0: 1(-3.6,3.6) 9(-3.6,-3.6) 17(3.6,-3.6) 25(3.6,3.6)
  rect 1.4x0.6 smd mask+0: 2(-3.6,2.4) 3(-3.6,1.6) 4(-3.6,0.8) 5(-3.6,0) 6(-3.6,-0.8) 7(-3.6,-1.6) 8(-3.6,-2.4) 18(3.6,-2.4) 19(3.6,-1.6) 20(3.6,-0.8) 21(3.6,0) 22(3.6,0.8) 23(3.6,1.6) 24(3.6,2.4)
  rect 0.6x1.4 smd mask+0: 10(-2.4,-3.6) 11(-1.6,-3.6) 12(-0.8,-3.6) 13(0,-3.6) 14(0.8,-3.6) 15(1.6,-3.6) 16(2.4,-3.6) 26(2.4,3.6) 27(1.6,3.6) 28(0.8,3.6) 29(0,3.6) 30(-0.8,3.6) 31(-1.6,3.6) 32(-2.4,3.6)
  rect 5x5.2 smd mask+0: 33(0,0)
  silkscreen extent -5.25,-4.5 4.5,4.5, body extent -4,-4 4,4, height 2.1
PTH08080W [mm]
  round 2.1 hole 1.5 mask+0: 1(0,0) 2(0,-3.56) 3(0,-7.12) 4(12.19,-8.375) 5(12.19,1.275)
  silkscreen extent -1.5,-10 13.75,2.75, body extent -1.59,-9.92 13.65,2.78, height 8.2
QFN24-PAD [mm] "CP2104(Primary)"
  rect 0.8x0.3 smd: 1(-2,1.25) 2(-2,0.75) 3(-2,0.25) 4(-2,-0.25) 5(-2,-0.75) 6(-2,-1.25) 13(2,-1.25) 14(2,-0.75) 15(2,-0.25) 16(2,0.25) 17(2,0.75) 18(2,1.25)
  rect 1.5x1.5 smd: 2(0,0)
  rect 0.3x0.8 smd: 7(-1.25,-2) 8(-0.75,-2) 9(-0.25,-2) 10(0.25,-2) 11(0.75,-2) 12(1.25,-2) 19(1.25,2) 20(0.75,2) 21(0.25,2) 22(-0.25,2) 23(-0.75,2) 24(-1.25,2)
  silkscreen extent -2,-2 2,2, body extent -2,-2 2,2, height 0.75
R0603 [mm]
  rect 0.7x1 smd: 1(-0.75,0) 2(0.75,0)
  Top Layer pour cut-out: -0.4,0.5 0.4,0.5 0.4,-0.5 -0.4,-0.5
  silkscreen extent -1.33,-0.73 1.33,0.73, body extent -0.85,-0.4 0.75,0.4, height 0.5
R0603X4 [mm]
  rrect50% 0.4x0.7 smd: 1(0,-1.5) 2(0,0) 3(0.8,-1.5) 4(0.8,0) 5(1.6,-1.5) 6(1.6,0) 7(2.4,-1.5) 8(2.4,0)
  Top Layer pour cut-out: 2.6,-0.35 2.6,-1.15 -0.2,-1.15 -0.2,-0.35
  silkscreen extent -0.42,-1.55 2.78,0.05, body extent -0.39,-1.51 2.81,0.09, height 0.5
R1210 [mm]
  rect 1.8x2.8 smd: 1(-1.5,0) 2(1.5,0)
  silkscreen extent -2.63,-1.63 2.63,1.63, body extent -1.6,-1.25 1.6,1.25, height 0.6
SOD123_A [mm]
  rect 0.9x1.2 smd: 1(-1.6,0) 2(1.6,0)
  silkscreen extent -2.28,-0.9 1.43,1.1, body extent -1.87,-0.77 1.83,0.83, height 1.12
SOT23 [mm] "mosfet"
  rect 0.95x0.65 smd: 1(-1.235,0.95) 2(-1.235,-0.95) 3(1.235,0)
  silkscreen extent -1.36,-1.5 0.76,1.95, body extent -1.25,-1.5 1.25,1.5, height 1.05
SOT-223 [mm] "MC33269"
  rect 2.15x1 smd: 1(-2.925,2.3) 2(-2.925,0) 3(-2.925,-2.3)
  rect 2.15x3.3 smd: 4(2.925,0)
  silkscreen extent -3.05,-3.35 1.55,3.47, body extent -3.48,-3.25 3.48,3.25, height 1.65
USB4105-15-A-120 [mm] "USB Type-c 16p USB4105-15-A-120"
  rect 0.3x1.15 smd: 1(-1.75,7.355) 2(-1.25,7.355) 3(-0.75,7.355) 4(-0.25,7.355) 5(0.25,7.355) 6(0.75,7.355) 7(1.25,7.355) 8(1.75,7.355)
  rect 0.6x1.15 smd: 9(-2.4,7.355) 9(2.4,7.355) 10(-3.2,7.355) 10(3.2,7.355)
  oval 1x1.8 hole 0.6 slot 1.4 at 90 deg: TP(-4.32,6.78) TP(-4.32,2.6) TP(4.32,6.78) TP(4.32,2.6)
  round 0.65 hole 0.65 unplated: ""(-2.89,6.28) ""(2.89,6.28)
  silkscreen extent -4.47,0 4.47,7.35, body extent -4.47,0 4.47,7.7, height 3.26
XT30PW-M [mm]
  round 1.8 hole 1: 0(0,0) 0(11,0)
  round 3 hole 1.75: 1(3,10) 2(8,10)
  silkscreen extent -1.15,-2.6 12.15,11.5, body extent -1.15,-2.95 12.15,11, height 5
XT30UPB-M [mm]
  round 3 hole 1.65: 1(0,0) 2(5,0)
  silkscreen extent -2.5,-2.6 7.7,2.6, body extent -2.59,-2.6 7.61,2.6, height 9.4

## Part data
DA1 DA2: library part CP2104, Наименование=CP2105
DD2: library part Anmega_2560, Name=Atmega2560
DD7 DD9: "DC/DC, 2.5А", Name=PTH08080W
DD8 DD10: library part LM1117, Contact_1=IN+, Contact_2=GND, Contact_3=OUT+, Name=LM1117GS-5.0
R1 R2 R3 R4 R5 R6 R7 R8 R9 R10 R11 R12 R13 R14 R15 R16 R17 R18 R19 R20 R21 R22 R23 R24 R25 R26 R27 R28 R29 R30 R31 R32 R33 R34 R35 R36 R37 R38 R39 R40 R41 R42 R43 R44 R45 R46 R47 R48 R49 R50 R51 R52 R53 R54 R55 R56 R60 R61 R62 R69 R70 R80 R82 R96 R97 R98 R99 R100 R101: library part "Резистор 0.05Вт", "Резистор 0,05Вт"
R57 R58 R59 R64 R66 R68 R81 R83 R95: library part "Резисторная сборка 0.05 x 4"
R63 R65 R67 R71 R72 R73 R74 R75 R76 R77 R78 R79 R84 R85 R86 R87 R88 R89 R90 R91 R92 R93 R94: library part "Резистор  0,05Вт", "Резистор 0,05Вт"
R102 R103: library part "резистор 0.5Вт"
SW1 SW2: library part button
VD1 VD2 VD4 VD5 VD7 VD8 VD9 VD10 VD11 VD12 VD13 VD14 VD15: library part DiodeSchottky, "Диод Шоттки"
VD3 VD6 VD16 VD18 VD20 VD22: library part smd_led, "smd led"
VD17 VD19 VD21 VD23: library part стабилитрон, "Case: DO-41", Name=1N4734A
VT1 VT2 VT3 VT4 VT5 VT6: library part "транзистор n-канал", Name=IRLML2244TRPBF
X1 X3: library part USB4105, "USB Type-C USB4105-GF-A / GCT", Contact_1=SBU2, Contact_2=CC1, Contact_3=Dn2, Contact_4=Dp1, Contact_5=Dn1, Contact_6=Dp2, Contact_7=SBU1, Contact_8=CC2, Contact_9=VCC, Contact_10=GND, Name="USB Type-C"
X5 X6 X7 X10 X11 X12 X19 X20: library part Header_5, "Разъем - 5 конт. мама", Contact_1=VCC, Contact_4=RST, Contact_5=GND, Contact_6=TP
  X5 X6 X7 X10 X11 X12: Contact_2=SDA, Contact_3=SCL, Name="Clik-Mate 5"
  X19: Contact_2=TX, Contact_3=RX, Name=640456-5
  X20: Contact_2=SDA, Contact_3=SCL, Name=640456-5
X13: library part Header_4, "Разъем - 4 конт. мама", Contact_1=VCC, Contact_2=SDA, Contact_3=SCL, Contact_4=GND, Contact_5=TP, Name="Clik-Mate 4"
X14 X15 X16 X17: library part Header_2, "Разъем - 3 конт. розетка", Contact_1=VCC, Contact_2=GND, Contact_3=TP, Name="Clik-Mate 2"
X18 X23 X24: library part Header_3, "Разъем - 3 конт. розетка", Contact_3=GND, Contact_4=TP, Name=640456-3
  X18 X24: Contact_1=VCC, Contact_2=SIGN
  X23: Contact_1=SIGN, Contact_2=VCC
X21 X22 X25 X26: library part Header_6, "Разъем - 6 конт. мама", Contact_1=MA, Contact_2=VCC, Contact_3=S1, Contact_4=S2, Contact_5=GND, Contact_6=MB, Contact_7=TP, Name=640456-6
X27: library part Header_7, "Разъем - 7 конт. мама", Contact_1=VCC, Contact_2=GND, Contact_3=DIN, Contact_4=CLK, Contact_5=CS, Contact_6=D/C, Contact_7=RES, Contact_8=TP, Name="Clik-Mate 7"
XT1 XT2: library part Резонатор, "12.88605 / Geyer", Name=12.88605
С1 С2 С3 С4 С5 С6 С7 С8 С9 С10 С11 С12 С13 С14 С15 С16 С17 С18 С19 С20 С21 С22 С23 С24 С25 С26 С27 С28 С29 С30 С31 С32 С33 С34 С35 С36 С37 С38 С39 С40 С41 С42 С43 С44 С45 С46 С47 С48 С49 С50 С51 С52 С53 С54 С55 С56 С57 С58 С59 С60 С61 С62 С63 С64: library part "Кер. конденсатор"
DD1: Name=Atmega2560
DD3 DD4 DD5 DD6: Name=MС339296
X2 X4: Contact_1=MISO, Contact_2=+5В, Contact_3=SCK, Contact_4=MOSI, Contact_5=RESET, Contact_6=GND, Name="PLS 3 x 2"
X8: Contact_1=PSwitch1, Contact_2=PSwitch2, Name=XT30UPB-M
X9: Contact_1=PSwitch1, Contact_2=PSwitch2, Name=XT30PW-M

## Free pads (board coordinates)
  round 6 hole 3.2: 0(4.036,15.006) 0(4.036,111.006) 0(18.036,81.006) 0(18.037,45.006) 0(59.521,6.491) 0(59.521,119.521)

## Via types
v1: diameter 0.6, hole 0.3, Top Layer to Bottom Layer, tented both sides, 626 vias
v2: diameter 0.6, hole 0.3, Top Layer to Bottom Layer, 4 vias

## Nets (pads, with @x,y where several pads share a name; then routed paths per layer and width w, separated by ;. In a path a pad name is that pad's centre, name@x,y a point inside that pad or via, vN(x,y) a via of type N, cw(c..) or ccw(c..) an arc to the next point about the centre after c; other vN are vias at no path point)
+3S: DD3.4 DD3.6 DD3.11 DD3.31 DD4.4 DD4.6 DD4.11 DD4.31 DD5.4 DD5.6 DD5.11 DD5.31 DD6.4 DD6.6 DD6.11 DD6.31 DD7.1 DD8.3 DD9.1 DD10.3 X8.1 X24.1 С33.2 С34.2 С35.2 С36.2 С37.2 С38.2 С39.2 С40.2 С41.2 С42.2 С43.2 С44.2 С45.2 С46.2 С47.1 С48.1 С49.2 С50.2 С51.2 С52.2 С53.2 С54.2 С55.2 С56.2 С57.2 С63.2 | length 2.4
  Bottom Layer w1: С55.2@41.4,115.775 DD7.1@43.79,115.775
  other v1: 34.8,34.75 34.8,35.475 34.8,36.2 34.8,36.925 23.25,62.85 24.8,62.85 26.35,62.85 27.9,62.85 29.45,62.85 31,62.85 24.025,63.4 25.575,63.4 27.125,63.4 28.675,63.4 30.225,63.4 31.775,63.4 33.225,91.575 33.225,92.3 33.225,93.025 33.225,93.75 33.225,94.475
+5В: DD9.3 R20.1 R22.1 R27.2 R30.2 R45.1 R48.1 R50.2 R52.2 R60.1 R61.1 R62.1 R63.1 R65.1 R67.1 R80.1 R82.1 R100.2 VD7.2 VD8.2 VD9.2 VD10.2 VD11.2 VD12.2 VD13.2 VD14.2 VD15.2 VD21.2 VT1.2 VT2.2 VT3.2 VT4.2 VT5.2 VT6.2 X14.1 X15.1 X16.1 X17.1 С59.2 С61.2 С62.2 | length 179.1
  Top Layer w0.2: X14.1@9.05,115.45 9.05,113.7 9.525,113.225 11.275,113.225 18.7,120.65 32.9,120.65 v1(33.65,121.4) ; X16.1@11.35,13.95 11.35,15.4 11.6,15.65 16.6,15.65 17.125,16.175 20.35,16.175 20.75,15.775 ; VD8.2@11.925,51.55 v1(13.3,51.55) ; VD7.2@14.3,66.1 15.125,66.1 15.6,66.575 v1(15.6,67.325) ; R100.2@16.075,55.45 16.225,55.3 VD21.2@18.3,55.3 ; VD15.2@18.7,103.7 18.7,102.987 18.7,102.825 18.7,102.742 18.817,102.625 23.1,102.625 24.55,104.075 30.258,104.075 v1(33.147,106.964) ; X17.1@20.75,13.95 20.75,15.775 ; v1(33.425,10.625) 31.875,10.625 30.15,12.35 X15.1@30.15,13.95 30.15,15.55 29.925,15.775 20.75,15.775
  Signal w0.3: v1(42.5,95.25) 43.725,94.025 v1(45.325,94.025) 56.575,94.025 v1(57.25,94.7) ; v1(42.6,75.45) 43.925,74.125 54.198,74.125 54.273,74.05 v1(54.3,74.05) ; v1(44.2,33.35) 45.45,32.1 v1(47.775,32.1) 47.832,32.1 50.532,29.4 v1(57.75,29.4)
  Bottom Layer w0.2: VT1.2@17.21,30.455 17.23,30.475 v1(20,30.475) ; VT2.2@17.235,34.48 v1(20,34.48) ; VT4.2@17.235,38.03 v1(20,38.03) ; VT3.2@23.76,67.725 v1(26.75,67.725) ; VT5.2@23.76,71.275 v1(26.75,71.275) ; VT6.2@23.76,74.825 v1(26.75,74.825) ; v1(42.5,95.25) R27.2@42.5,96.225 ; v1(42.6,75.45) R45.1@42.6,76.425 R45.1@42.625,76.4 ; R82.1@43.575,14.9 v1(46.2,14.9) R52.2@48.3,14.9 ; v1(44.2,33.35) R30.2@44.2,34.325 ; v1(45.325,94.025) 45.35,94.05 45.925,94.05 47.3,95.425 R22.1@47.3,96.225 ; v1@47.4,74.375 R50.2@47.4,76.425 ; v1(47.775,32.1) 47.775,32.125 48.975,33.325 48.975,34.3 R20.1@49,34.325 ; R80.1@49.325,6.55 v1(49.325,7.825)
  Bottom Layer w0.4: v1(50.825,10.875) 51.375,11.425 VD14.2@51.375,16.816 ; VD13.2@53.021,76.425 53.023,76.423 53.023,75.327 v1(54.3,74.05) ; VD11.2@53.021,96.225 53.021,95.254 53.575,94.7 v1(57.25,94.7) ; VD12.2@54.775,30.8 54.775,29.652 55.027,29.4 v1(57.75,29.4)
  other v1: 51.875,6.325 53.1,6.325 51.175,7.5 53.825,7.5 35.625,8.725 38.275,8.725 36.35,9.925 37.55,9.925 24.025,52.775 25.575,52.775 27.125,52.775 28.675,52.775 30.225,52.775 31.775,52.775 23.25,53.325 24.8,53.325 26.35,53.325 27.9,53.325 29.45,53.325 31,53.325 47.4,74.125